# KiCad board dalishen_pi_h7p20.kicad_pcb (continued)
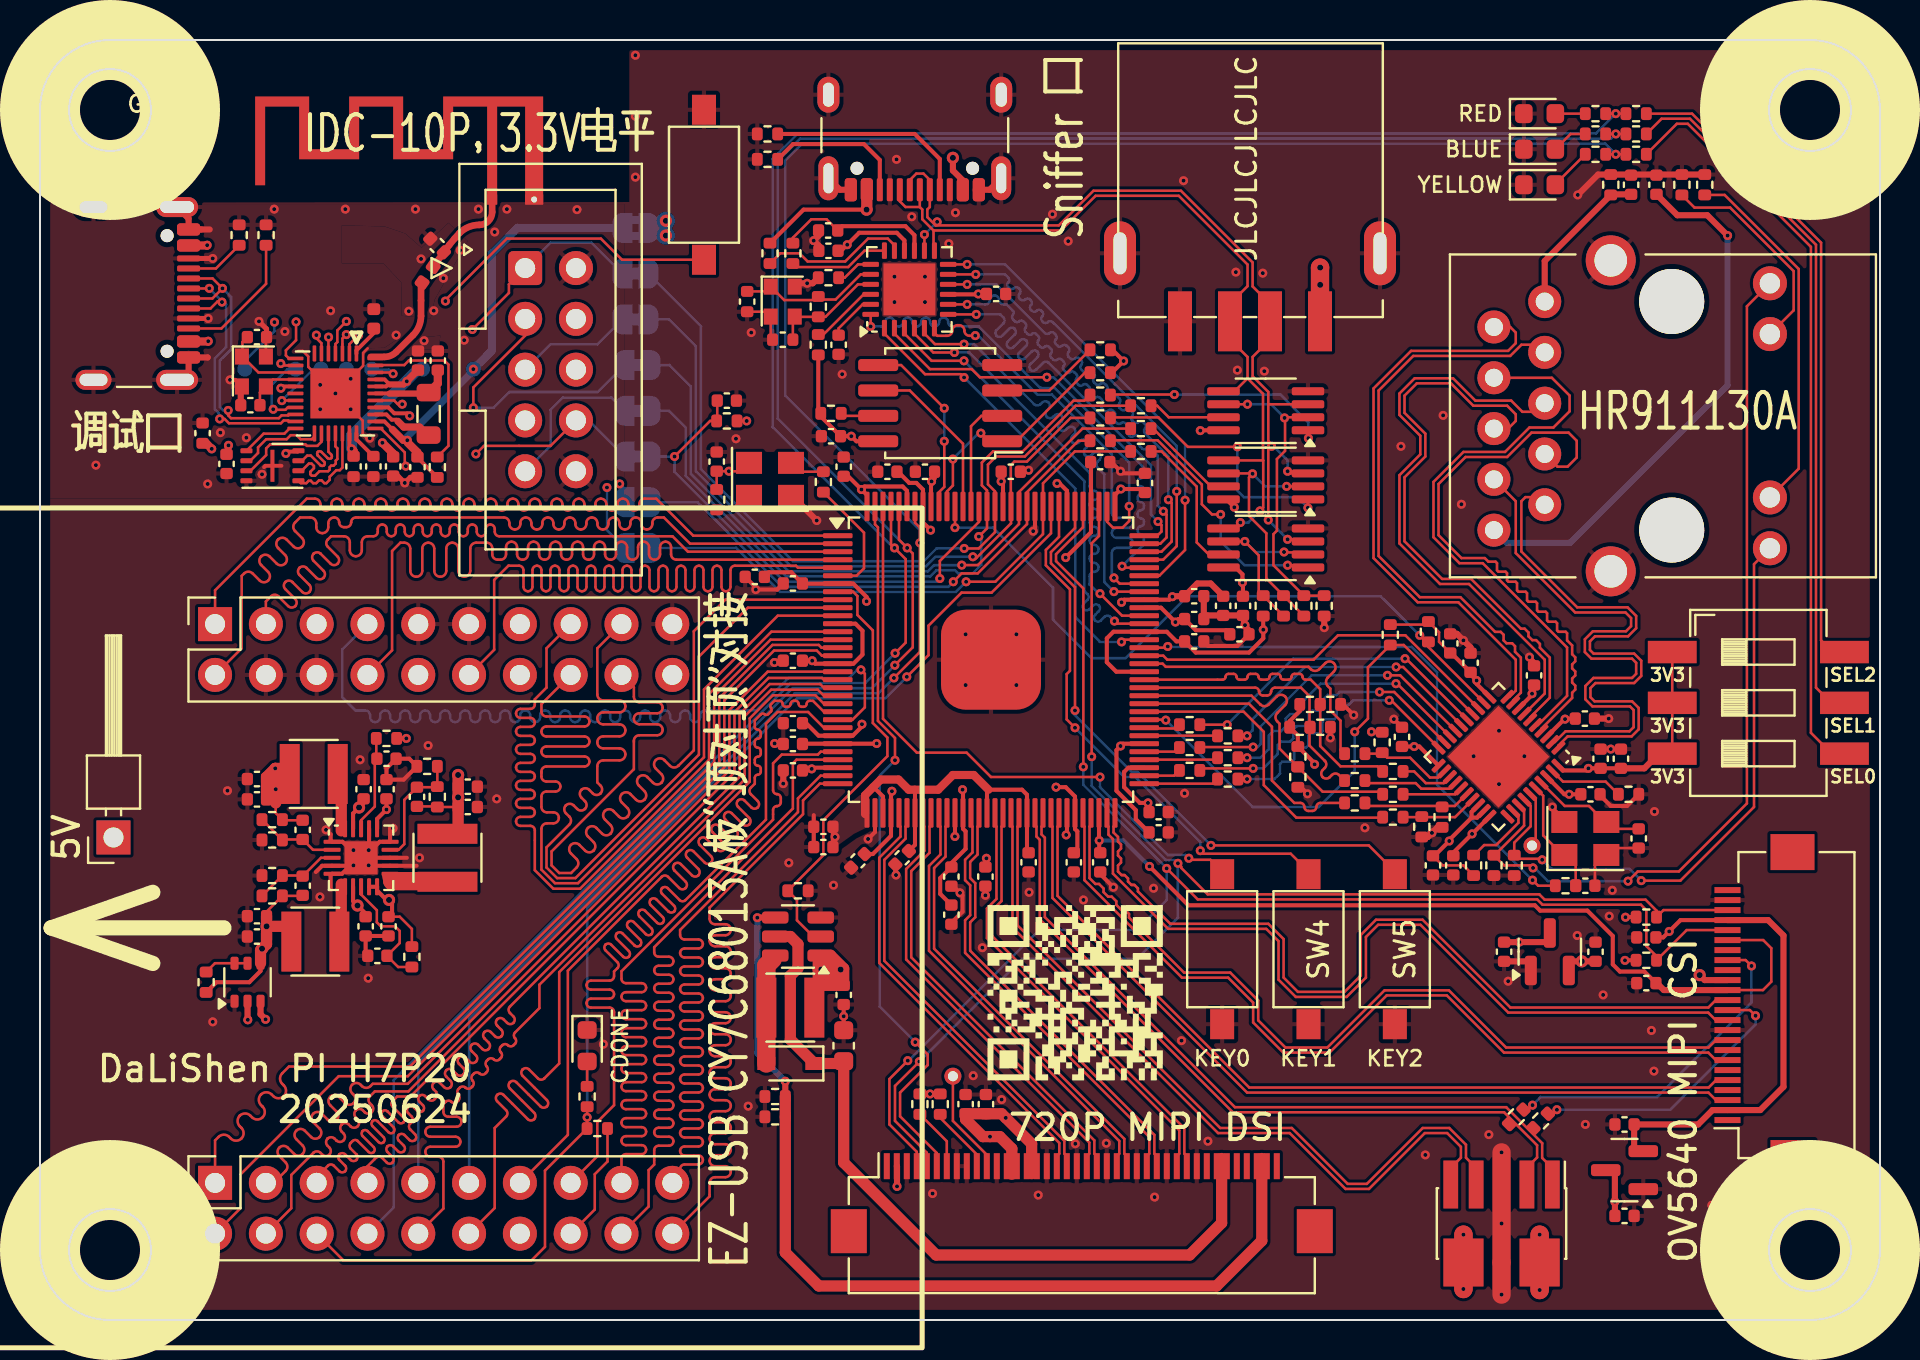
[diagram p0: board, top side]
## Routing (per net, layer and track width the routed paths; a pad name or vN(x,y) marks a point on that pad's centre or on a via; arc(x,y) is an arc through that point) (continued)
/USB334x_D1: length 23.5
  Top w0.127: U20.5 44.22,49.33 44.75,48.8 v1(46.2,48.8) ; v1(53.7,36.42) 53.7,36.42 U3.89
  Bottom w0.127: v1(53.7,36.42) 53.21,36.91 53.21,42.29 52.89,42.61 arc(52.83,42.77) 52.89,42.93 52.97,43.01 arc(53.04,43.17) 52.97,43.33 arc(52.81,43.4) 52.65,43.33 52.57,43.25 arc(52.41,43.18) 52.25,43.25 arc(52.19,43.41) 52.25,43.57 52.33,43.65 arc(52.4,43.81) 52.33,43.97 arc(52.18,44.03) 52.02,43.97 51.94,43.89 arc(51.78,43.82) 51.62,43.89 arc(51.55,44.05) 51.62,44.21 51.7,44.28 arc(51.76,44.44) 51.7,44.6 arc(51.54,44.67) 51.38,44.6 51.3,44.52 arc(51.14,44.46) 50.98,44.52 arc(50.92,44.68) 50.98,44.84 51.06,44.92 arc(51.13,45.08) 51.06,45.24 arc(50.9,45.31) 50.74,45.24 50.66,45.16 arc(50.5,45.09) 50.35,45.16 arc(50.28,45.32) 50.35,45.48 50.42,45.56 arc(50.49,45.72) 50.42,45.88 arc(50.27,45.94) 50.11,45.88 50.03,45.8 arc(49.87,45.73) 49.71,45.8 46.71,48.8 v1(46.2,48.8)
/USB334x_D2: length 23.4
  Top w0.127: U3.90 53.99,36.82 v1(53.7,37.11) ; U20.6 44.72,49.36 44.87,49.22 45.35,49.22 arc(45.54,49.29) 45.62,49.48 arc(45.7,49.67) 45.88,49.75 45.95,49.75 arc(46.14,49.67) 46.22,49.48 arc(46.3,49.29) 46.48,49.22 46.75,49.22 v1(46.76,49.23)
  Bottom w0.127: v1(53.7,37.11) 53.6,37.21 53.6,38.36 arc(53.67,38.54) 53.85,38.61 54.4,38.61 arc(54.57,38.68) 54.65,38.86 arc(54.57,39.04) 54.4,39.11 53.85,39.11 arc(53.67,39.18) 53.6,39.36 arc(53.67,39.54) 53.85,39.61 54.4,39.61 arc(54.57,39.68) 54.65,39.86 arc(54.57,40.04) 54.4,40.11 53.85,40.11 arc(53.67,40.18) 53.6,40.36 53.6,43.28 50.6,46.28 49.86,46.28 46.91,49.23 v1(46.76,49.23)
/USB334x_D3: length 23.5
  Top w0.127: v1(46.81,50.29) U20.7 ; U3.96 55.86,39.22 56.07,39.43 56.07,39.75 v1(55.9,39.93)
  Bottom w0.127: v1(46.81,50.29) 48.01,50.29 48.17,50.13 arc(48.23,49.99) 48.17,49.84 47.83,49.5 arc(47.77,49.36) 47.83,49.22 arc(47.97,49.16) 48.11,49.22 48.46,49.56 arc(48.6,49.62) 48.74,49.56 arc(48.8,49.42) 48.74,49.28 48.39,48.94 arc(48.34,48.79) 48.39,48.65 arc(48.54,48.59) 48.68,48.65 49.02,49 arc(49.16,49.05) 49.3,49 arc(49.36,48.85) 49.3,48.71 48.96,48.37 arc(48.9,48.23) 48.96,48.09 arc(49.1,48.03) 49.24,48.09 49.59,48.43 arc(49.73,48.49) 49.87,48.43 arc(49.93,48.29) 49.87,48.15 49.53,47.8 arc(49.47,47.66) 49.53,47.52 arc(49.67,47.46) 49.81,47.52 50.15,47.86 arc(50.29,47.92) 50.44,47.86 55.55,42.75 55.55,40.28 v1(55.9,39.93)
/USB334x_D4: length 23.4
  Top w0.127: v1(56.17,40.44) 56.33,40.28 56.33,39.13 56.02,38.82 U3.95 ; v1(46.36,50.79) U20.8
  Bottom w0.127: v1(46.36,50.79) 47.27,50.79 arc(47.43,50.85) 47.5,51.01 arc(47.56,51.17) 47.72,51.24 arc(47.88,51.17) 47.95,51.01 arc(48.01,50.85) 48.17,50.79 48.33,50.79 48.64,50.47 arc(48.69,50.36) 48.64,50.26 arc(48.6,50.15) 48.64,50.05 48.75,49.94 arc(48.85,49.9) 48.96,49.94 arc(49.07,49.98) 49.17,49.94 49.28,49.83 arc(49.32,49.73) 49.28,49.62 arc(49.23,49.52) 49.28,49.41 49.38,49.3 arc(49.49,49.26) 49.6,49.3 arc(49.7,49.35) 49.81,49.3 49.91,49.2 arc(49.96,49.09) 49.91,48.98 arc(49.87,48.88) 49.91,48.77 50.02,48.67 arc(50.13,48.62) 50.23,48.67 arc(50.34,48.71) 50.45,48.67 50.55,48.56 arc(50.6,48.45) 50.55,48.35 arc(50.51,48.24) 50.55,48.14 50.66,48.03 arc(50.76,47.99) 50.87,48.03 arc(50.98,48.07) 51.08,48.03 51.19,47.92 arc(51.23,47.82) 51.19,47.71 arc(51.14,47.61) 51.19,47.5 51.29,47.39 arc(51.4,47.35) 51.51,47.39 arc(51.61,47.44) 51.72,47.39 51.82,47.29 arc(51.87,47.18) 51.82,47.08 arc(51.78,46.97) 51.82,46.86 51.93,46.76 arc(52.04,46.71) 52.14,46.76 arc(52.25,46.8) 52.35,46.76 52.46,46.65 arc(52.5,46.55) 52.46,46.44 arc(52.42,46.33) 52.46,46.23 52.57,46.12 arc(52.67,46.08) 52.78,46.12 arc(52.88,46.17) 52.99,46.12 53.1,46.02 arc(53.14,45.91) 53.1,45.8 arc(53.05,45.7) 53.1,45.59 53.2,45.48 arc(53.31,45.44) 53.42,45.48 arc(53.52,45.53) 53.63,45.48 53.73,45.38 arc(53.78,45.27) 53.73,45.17 arc(53.69,45.06) 53.73,44.95 53.84,44.85 arc(53.95,44.8) 54.05,44.85 arc(54.16,44.89) 54.26,44.85 54.37,44.74 arc(54.41,44.64) 54.37,44.53 arc(54.33,44.42) 54.37,44.32 54.48,44.21 arc(54.58,44.17) 54.69,44.21 arc(54.79,44.26) 54.9,44.21 55.01,44.11 arc(55.05,44) 55.01,43.89 arc(54.96,43.79) 55.01,43.68 55.11,43.58 arc(55.22,43.53) 55.32,43.58 arc(55.43,43.62) 55.54,43.58 55.88,43.23 55.88,40.73 v1(56.17,40.44)
/USB334x_D5: length 23.4
  Top w0.127: v1(56.42,41.02) 56.58,40.86 56.58,38.93 56.07,38.42 U3.94 ; v1(46.36,51.79) U20.10
  Bottom w0.127: v1(56.42,41.02) 56.42,43.17 55.24,44.35 arc(55.2,44.46) 55.24,44.58 arc(55.29,44.69) 55.24,44.81 55.16,44.9 arc(55.04,44.94) 54.93,44.9 arc(54.81,44.85) 54.7,44.9 54.61,44.99 arc(54.56,45.1) 54.61,45.22 arc(54.66,45.33) 54.61,45.44 54.52,45.53 arc(54.4,45.58) 54.29,45.53 arc(54.18,45.49) 54.06,45.53 53.97,45.62 arc(53.92,45.74) 53.97,45.85 arc(54.02,45.97) 53.97,46.08 53.88,46.17 arc(53.77,46.22) 53.65,46.17 arc(53.54,46.12) 53.42,46.17 53.33,46.26 arc(53.29,46.37) 53.33,46.49 arc(53.38,46.6) 53.33,46.72 53.25,46.81 arc(53.13,46.85) 53.02,46.81 arc(52.9,46.76) 52.79,46.81 52.7,46.9 arc(52.65,47.01) 52.7,47.12 arc(52.75,47.24) 52.7,47.35 52.61,47.44 arc(52.49,47.49) 52.38,47.44 arc(52.27,47.4) 52.15,47.44 52.06,47.53 arc(52.01,47.65) 52.06,47.76 arc(52.11,47.88) 52.06,47.99 51.97,48.08 arc(51.86,48.13) 51.74,48.08 arc(51.63,48.03) 51.52,48.08 51.43,48.17 arc(51.38,48.28) 51.43,48.4 arc(51.47,48.51) 51.43,48.63 51.34,48.72 arc(51.22,48.76) 51.11,48.72 arc(50.99,48.67) 50.88,48.72 50.79,48.81 arc(50.74,48.92) 50.79,49.03 arc(50.84,49.15) 50.79,49.26 50.7,49.35 arc(50.59,49.4) 50.47,49.35 arc(50.36,49.3) 50.24,49.35 47.81,51.79 v1(46.36,51.79)
/USB334x_D6: length 23.4
  Top w0.127: v1(56.84,41.44) 56.84,38.7 56.16,38.02 U3.93 ; v1(46.79,52.29) U20.11
  Bottom w0.127: v1(46.79,52.29) 48.25,52.29 48.41,52.12 arc(48.46,52) 48.41,51.88 arc(48.36,51.76) 48.41,51.64 48.46,51.6 arc(48.58,51.55) 48.7,51.6 arc(48.82,51.65) 48.93,51.6 48.98,51.56 arc(49.03,51.44) 48.98,51.32 arc(48.93,51.2) 48.98,51.08 49.02,51.03 arc(49.14,50.98) 49.26,51.03 arc(49.38,51.08) 49.5,51.03 49.54,50.99 arc(49.59,50.87) 49.54,50.75 arc(49.5,50.63) 49.54,50.51 49.59,50.47 arc(49.71,50.42) 49.83,50.47 arc(49.95,50.52) 50.07,50.47 50.11,50.42 arc(50.16,50.3) 50.11,50.19 arc(50.06,50.07) 50.11,49.95 50.16,49.9 arc(50.27,49.85) 50.39,49.9 arc(50.51,49.95) 50.63,49.9 56.84,43.7 v1(56.84,41.44)
/USB334x_D7: length 23.4
  Top w0.127: v1(46.36,52.79) U20.12 ; v1(57.25,40.99) 57.25,38.51 55.97,37.22 U3.91
  Bottom w0.127: v1(57.25,40.99) 57.25,43.79 48.26,52.79 v1(46.36,52.79)
/USB334x_DIR: length 23.5
  Top w0.127: v1(54.08,33.91) 54.19,34.02 U3.83 ; U20.1 42.22,49.33 44.25,47.29 46.04,47.29 v1(46.2,47.13)
  Bottom w0.127: v1(54.08,33.91) 53,33.91 51.77,35.14 51.77,41.57 v1(46.2,47.13)
/USB334x_NXT: length 23.5
  Top w0.127: v1(53.72,34.95) 53.85,34.82 U3.85 ; U20.3 43.22,49.33 44.58,47.97 v1(46.2,47.97)
  Bottom w0.127: v1(53.72,34.95) 53.51,35.17 arc(53.37,35.22) 53.22,35.17 53.04,34.98 arc(52.9,34.92) 52.76,34.98 arc(52.7,35.12) 52.76,35.26 52.94,35.45 arc(53,35.59) 52.94,35.73 arc(52.8,35.79) 52.66,35.73 52.47,35.54 arc(52.33,35.49) 52.19,35.54 arc(52.13,35.69) 52.19,35.83 52.38,36.01 arc(52.43,36.16) 52.38,36.3 52.22,36.45 52.22,41.94 v1(46.2,47.97)
/USB334x_STP: length 23.4
  Top w0.127: v1(41.53,49.68) U20.24 ; v1(54.46,40.69) 54.46,39.95 54.13,39.62 53.65,39.62 53.35,39.92 U3.98
  Bottom w0.127: v1(54.46,40.69) 54.46,42.88 50.72,46.61 50.01,46.61 46.94,49.68 45.63,49.68 arc(45.47,49.75) 45.41,49.9 arc(45.34,50.06) 45.19,50.12 45.18,50.12 arc(45.02,50.06) 44.96,49.9 arc(44.89,49.75) 44.74,49.68 44.73,49.68 arc(44.57,49.75) 44.51,49.9 arc(44.44,50.06) 44.29,50.12 44.28,50.12 arc(44.12,50.06) 44.06,49.9 arc(43.99,49.75) 43.84,49.68 43.83,49.68 arc(43.67,49.75) 43.61,49.9 arc(43.54,50.06) 43.39,50.12 43.38,50.12 arc(43.22,50.06) 43.16,49.9 arc(43.09,49.75) 42.94,49.68 42.93,49.68 arc(42.77,49.75) 42.71,49.9 arc(42.64,50.06) 42.49,50.12 42.48,50.12 arc(42.32,50.06) 42.26,49.9 arc(42.19,49.75) 42.04,49.68 v1(41.53,49.68)
/vllinkmodule/FLS_CLK: length 4.7
  Top w0.127: U1001.22 14.77,43.69 14.87,43.59 14.87,43.06 14.79,42.98 14.79,42.83 14.68,42.72 14.56,42.72 14.48,42.65 14.48,42.52 14.4,42.44 13.98,42.44 13.75,42.22 13.59,42.22 13.52,42.29 13.52,42.42 13.7,42.6 13.7,42.71 13.58,42.82 13.44,42.82 13.08,42.47 U1002.6
/vllinkmodule/FLS_CS: length 2.9
  Top w0.127: U1001.18 12.48,44.58 12.22,44.32 11.18,44.32 10.32,43.47 U1002.1
/vllinkmodule/FLS_IO0: length 4.6
  Top w0.127: U1001.23 15.12,42.62 14.99,42.49 14.81,42.49 14.48,42.16 14.48,42.01 14.32,41.85 14.22,41.85 14.08,41.99 13.95,41.99 13.81,41.85 13.66,41.85 13.54,41.96 13.54,41.97 13.43,41.97 13.31,41.85 13.04,41.85 U1002.5
/vllinkmodule/FLS_IO1: length 4.4
  Top w0.127: U1002.2 10.51,42.97 10.9,43.36 10.9,43.64 11.31,44.04 12.33,44.04 12.54,44.25 12.83,44.25 13.03,44.04 13.59,44.04 13.72,44.17 U1001.19
/vllinkmodule/FLS_IO2: length 5
  Top w0.127: U1002.3 10.52,42.47 11.31,43.25 11.31,43.59 11.5,43.78 13.28,43.78 13.34,43.71 13.87,43.71 14.07,43.92 U1001.20
/vllinkmodule/FLS_IO3: length 4.6
  Top w0.127: U1002.7 13.1,42.97 13.36,43.22 13.54,43.22 14.02,42.74 arc(14.11,42.71) 14.2,42.74 14.2,42.75 arc(14.24,42.82) 14.22,42.9 13.89,43.23 arc(13.86,43.32) 13.89,43.41 13.9,43.41 arc(13.98,43.45) 14.07,43.41 14.38,43.1 14.38,43.1 arc(14.47,43.07) 14.56,43.1 14.56,43.1 arc(14.6,43.19) 14.56,43.28 14.42,43.42 U1001.21
/vllinkmodule/GPIOA0: length 17.8
  Top w0.127: 2x5_2.54.1001.1 23.45,51.79 23.45,51.36 v1(21.62,49.53) ; v1(15.32,49.28) 15.12,49.08 U1001.3
  In2.Cu w0.127: v1(21.62,49.53) 21.43,49.72 15.76,49.72 v1(15.32,49.28)
  Bottom w0.127: JP5.2 27.57,53.87 25.53,53.87 2x5_2.54.1001.1
/vllinkmodule/GPIOA1: length 17.7
  Top w0.127: U1001.4 14.77,48.81 14.87,48.9 14.87,49.49 v1(15.32,49.94)
  In2.Cu w0.127: v1(15.32,49.94) 15.35,49.97 21.81,49.97 2x5_2.54.1001.5
  Bottom w0.127: 2x5_2.54.1001.5 25.53,48.79 27.88,48.79 JP4.2
/vllinkmodule/GPIOA2: length 23.5
  Top w0.127: 2x5_2.54.1001.3 24.26,49.23 21.67,46.63 v1(21.67,45.62) ; U1001.5 14.42,49.14 v1(14.43,49.15)
  In2.Cu w0.127: v1(14.43,49.15) 15.29,48.29 18.42,48.29 21.09,45.62 v1(21.67,45.62)
  Bottom w0.127: v1(21.67,45.62) 22.68,45.62 23.47,46.41 27.89,46.41 JP6.2
/vllinkmodule/GPIOA3: length 22.2
  Top w0.127: U1001.6 14.07,48.85 13.82,49.1 v1(13.82,49.25)
  In2.Cu w0.127: 2x5_2.54.1001.9 23.91,42.44 18.32,48.03 14.89,48.03 13.82,49.1 v1(13.82,49.25)
  Bottom w0.127: 2x5_2.54.1001.9 25.53,43.71 25.53,45.52 26.14,46.13 28.57,46.13 JP3.2
/vllinkmodule/GPIOA5: length 25.4
  Top w0.127: 12.44,48.08 U1001.8 12.45,48.08 12.29,48.23 12.29,48.49 12.8,49 v1(12.8,49.91) ; v1(20.27,50.95) 20.27,51 23.34,54.08 28.04,54.08 29.1,53.02 SW2.2
  In2.Cu w0.127: v1(12.8,49.91) 13.84,50.95 v1(20.27,50.95)
/vllinkmodule/GPIOA6: length 28
  Top w0.127: v1(12.04,47.83) 12.14,47.73 U1001.9
  In2.Cu w0.127: v1(28.35,41.63) 28.35,45.52 27.76,46.1 20.97,46.1 18.53,48.54 15.42,48.54 14.84,49.11 14.84,49.32 14.5,49.67 13.63,49.67 12.83,48.87 11.91,48.87 11.65,48.61 11.65,48.22 v1(12.04,47.83)
  Bottom w0.127: JP10.2 28.35,39.49 v1(28.35,41.63)
/vllinkmodule/GPIOA7: length 20.3
  Top w0.127: v1(15.93,49.25) 15.47,48.79 U1001.2
  In2.Cu w0.127: v1(28.98,41.81) 28.78,42.01 28.78,45.44 27.84,46.38 21.05,46.38 18.63,48.79 16.38,48.79 v1(15.93,49.25)
  Bottom w0.127: v1(28.98,41.81) 29.23,41.56 JP1.2
/vllinkmodule/GPIOA8: length 14.4
  Top w0.127: v1(18.11,45.8) 17.89,45.8 17.7,45.98 U1001.30 ; v1(11.72,49.9) 11.69,49.94
  In2.Cu w0.127: v1(11.72,49.9) 11.36,49.53 11.36,47.85 11.84,47.37 12.27,47.37 12.42,47.52 16.26,47.52 17.98,45.8 v1(18.11,45.8)
  Bottom w0.127: TP1004.1 10.24,47.96 11.72,49.44 v1(11.72,49.9)
/vllinkmodule/GPIOA9: length 2.1
  Top w0.127: v1(17.65,47.32) 17.59,47.38 U1001.34
  Bottom w0.127: TP1005.1 16.61,47.52 17.45,47.52 v1(17.65,47.32)
/vllinkmodule/GPIOB0: length 3.3
  Top w0.127: U1001.14 12.1,45.98 v1(12.09,45.97)
  Bottom w0.127: TP1006.1 13.67,47.55 v1(12.09,45.97)
/vllinkmodule/GPIOB1: length 4
  Top w0.127: v1(11.66,45.54) 11.69,45.52 12.27,45.52 12.39,45.63 U1001.15
  Bottom w0.127: 11.69,45.52 11.58,45.62 11.58,46.76 12.37,47.55 TP1007.1
/vllinkmodule/GPIOB2: length 15.3
  Top w0.127: v1(18.29,42.7) 18.24,42.75 18.24,43.38 17.04,44.58 U1001.26 ; 2x5_2.54.1001.8 25.53,43.71 22.2,43.71 v1(21.79,43.31)
  In2.Cu w0.127: v1(18.29,42.7) 21.18,42.7 v1(21.79,43.31)
  Bottom w0.127: JP9.2 27.43,44.98 2x5_2.54.1001.8
/vllinkmodule/POWER_KEY: length 8.7
  Top w0.127: R1003.1 20.42,43.72 20.42,47.78 20.22,47.98 18.44,47.98 18.21,47.75 16.79,47.75 U1001.35
/vllinkmodule/USB_D+: length 14.1
  Top w0.127: 9.12,50.93 8.87,50.93 8.53,50.58 J1001.B6 ; v1(8.46,51.59) 8.46,51.58 7.44,51.58 ; v1(8.98,45.06) 9.23,45.06 9.45,44.84 12.04,44.84 12.18,44.98 12.41,44.98 12.46,44.93 U1001.17
  Bottom w0.127: v1(8.46,51.59) 9.1,50.95 v1(9.1,50.9) 9.2,50.9 9.3,50.8 9.3,48.65 8.74,48.08 8.74,45.55 8.94,45.34 8.94,45.29 8.98,45.25 v1(8.98,45.06)
/vllinkmodule/USB_D-: length 14.4
  Top w0.127: J1001.B7 8.63,52.08 v1(9.12,51.59) 8.62,51.08 J1001.A7 ; v1(9.41,45.48) 9.41,45.24 9.55,45.1 11.94,45.1 12.08,45.24 12.41,45.24 12.46,45.28 U1001.16
  Bottom w0.127: v1(9.12,51.59) 9.56,51.16 9.56,48.54 8.99,47.98 8.99,45.65 9.16,45.48 v1(9.41,45.48)
/vllinkmodule/V_FLS: length 10.8
  Top w0.191: U1002.8 12.88,43.43 12.39,43.43 v1(12.29,43.33) ; U1001.29 17.42,45.63 17.71,45.34 18.36,45.34 v1(18.48,45.21)
  Top w0.406: v1(17.12,43.87) 17.66,43.33 C1008.1
  In2.Cu w0.406: v1(12.29,43.33) 12.67,42.96 16.22,42.96 v1(17.12,43.87) ; v1(18.48,45.21) 17.14,43.87
  Bottom w0.406: 17.14,43.87 v1(17.12,43.87)
/YT8531C/ETHA_1V1: length 26.9
  Top w0.203: U1.30 71.61,24.31 v1(71.6,24.31) 70.66,23.37 70.66,23.21 ; U1.8 74.6,31.26 v1(74.6,31.32) 74.7,31.42 C53.2 ; C48.2 v1(76.46,26.29) 76.22,26.29 U1.38 ; C51.2 76.28,30.07 v1(76.25,30.05) 76.22,30.05 U1.3 ; C52.2 68.71,28.68 v1(68.71,28.68) 68.71,28.68 68.97,28.68 U1.21
  In2.Cu w0.914: 71.6,25.78 74.14,25.78 75.01,26.64 76.1,26.64 76.25,26.49 ; 71.6,25.78 v1(68.71,28.68) ; 71.6,25.78 v1(71.6,24.31) ; 76.25,26.49 v1(76.46,26.29) ; 76.25,26.49 v1(76.25,30.05) 74.98,31.32 v1(74.6,31.32)
/YT8531C/ETHA_LED1: length 44.5
  Top w0.127: J10.14 85.35,50.69 85.35,25.83 81.94,22.43 79.88,22.43 v1(79.4,21.95) ; v1(74.65,22.61) 74.52,22.73 73.21,22.73 72.7,23.24 72.73,23.24 74.2,24.72 74.2,25.47 U1.33
  Bottom w0.127: v1(79.4,21.95) 75.39,21.95 74.73,22.61 v1(74.65,22.61)
/YT8531C/ETHA_LED2: length 30.6
  Top w0.127: v1(80.06,21.97) 82.02,21.97 85.7,25.65 85.7,37.8 J10.11 ; v1(75.11,23.01) 75.06,23.06 73.89,23.06 73.71,23.24 73.71,23.87 74.53,24.69 74.53,25.71 U1.34
  Bottom w0.127: v1(80.06,21.97) 79.48,22.56 75.57,22.56 v1(75.11,23.01)
/YT8531C/ETHA_TD0N: length 29.5
  Top w0.127: U1.2 75.74,28.9 76.28,29.44 79.48,29.44 79.68,29.64 79.68,30.5 79.5,30.68 77.62,30.68 77.27,31.04 77.27,31.7 77.67,32.11 79.6,32.11 79.81,32.31 79.81,32.86 79.6,33.07 77.57,33.07 77.24,33.4 77.24,34.04 77.65,34.44 79.3,34.44 79.55,34.7 79.55,35.1 79.27,35.38 76.76,35.38 73.79,38.35 73.79,40.94 72.7,42.04
/YT8531C/ETHA_TD0P: length 29.6
  Top w0.127: J10.P2 75.24,40.82 74.91,41.15 74.27,41.15 74.07,40.94 74.07,38.43 76.86,35.64 79.38,35.64 79.81,35.21 79.81,34.59 79.4,34.19 77.75,34.19 77.5,33.93 77.5,33.51 77.68,33.32 79.71,33.32 80.06,32.97 80.06,32.21 79.71,31.85 77.78,31.85 77.52,31.6 77.52,31.14 77.73,30.94 79.6,30.94 79.94,30.61 79.94,29.54 79.58,29.18 76.38,29.18 75.92,28.72 U1.1
/YT8531C/ETHA_TD1N: length 29.5
  Top w0.127: J10.P7 75.59,47.12 76.48,46.23 76.48,45.44 75.67,44.63 74.47,44.63 73.25,43.41 71.17,43.41 69.67,41.91 69.67,39.14 70.97,37.85 72.14,37.85 76.35,33.63 76.35,31.21 74.89,29.75 U1.5
/YT8531C/ETHA_TD1P: length 29.5
  Top w0.127: J10.P4 75.87,42.67 76.38,42.67 76.84,43.13 76.84,43.97 76.43,44.37 74.58,44.37 73.36,43.15 71.28,43.15 69.93,41.8 69.93,39.25 71.07,38.1 72.24,38.1 72.42,37.92 72.78,37.92 72.85,37.85 72.85,37.49 72.92,37.42 73.28,37.42 73.35,37.35 73.35,36.99 73.42,36.92 73.78,36.92 73.85,36.85 73.85,36.49 73.92,36.42 74.28,36.42 74.35,36.35 74.35,35.99 74.42,35.92 74.78,35.92 74.85,35.85 74.85,35.49 74.92,35.42 75.28,35.42 75.35,35.35 75.35,34.99 75.42,34.92 75.78,34.92 75.85,34.85 75.85,34.49 75.92,34.42 76.28,34.42 76.35,34.35 76.35,33.99 76.61,33.73 76.61,33.29 76.76,33.14 76.76,32.94 76.61,32.78 76.61,32.58 76.76,32.43 76.76,32.23 76.61,32.08 76.61,31.88 76.76,31.72 76.76,31.52 76.61,31.37 76.61,31.11 75.07,29.57 U1.4
/YT8531C/ETHA_TD2N: length 29.6
  Top w0.127: U1.7 75.24,31.33 75.24,33.02 71.45,36.8 70,36.8 67.97,38.83 67.97,42.24 69.01,43.29 69.01,44.22 67.97,45.26 67.97,46.33 68.73,47.09 70.65,47.09 71.77,45.97 73.56,45.97 74.12,45.42 74.8,45.42 J10.P6
/YT8531C/ETHA_TD2P: length 29.6
  Top w0.127: U1.6 74.51,30.14 75.49,31.12 75.49,33.12 75,33.62 75,33.81 74.8,34 74.62,34 74.42,34.19 74.42,34.38 74.23,34.57 74.04,34.57 71.55,37.06 70.11,37.06 68.23,38.94 68.23,42.14 69.27,43.18 69.27,44.32 68.23,45.36 68.23,46.22 68.84,46.84 70.55,46.84 71.66,45.72 73.36,45.72 73.79,45.29 73.79,44.96 73.41,44.58 J10.P5
/YT8531C/ETHA_TD3N: length 29.6
  Top w0.127: U1.10 73.48,31.16 73.79,31.47 73.79,33.02 70.92,35.89 68.89,35.89 66.68,38.1 66.68,46.58 68.56,48.46 73.41,48.46 73.79,48.85 73.79,49.38 73.51,49.66 J10.P9
/YT8531C/ETHA_TD3P: length 29.6
  Top w0.127: U1.9 73.66,30.99 74.04,31.37 74.04,33.12 73.75,33.41 73.75,33.7 73.61,33.84 73.32,33.84 73.18,33.99 73.18,34.27 73.03,34.41 72.75,34.41 71.02,36.14 68.99,36.14 66.93,38.21 66.93,46.48 68.66,48.21 73.51,48.21 74.07,48.77 74.85,48.77 J10.P8
/YT8531C/FPGA_ETHA_CLKOUT: length 2.8
  Top w0.127: U1.35 74.79,26.02 74.79,23.91 TP2.1
Net-(AE1001-A): length 4.9
  Top w0.33: L1003.1 C1002.1 20.47,53.77 20.73,54.08 20.97,54.35 arc(21.43,54.66) 21.97,54.76 arc(22.42,54.95) 22.61,55.4 AE1001.1
Net-(D1-A): length 1.5
  Top w0.127: D1.2 R15.1
Net-(D2-A): length 1.8
  Top w0.127: D2.2 76.53,59.31 R18.1
Net-(D3-A): length 1.2
  Top w0.127: R19.1 D3.2
Net-(D4-A): length 2.1
  Top w0.127: D4.2 75.77,56.8 R20.1
Net-(D8-A): length 5.3
  Top w0.914: 36.63,18.03 36.32,17.72 L1.2 D8.2
Net-(J2-CC1): length 10.2
  Top w0.203: R77.1 43.74,59.31 44.99,58.06 J2.A5
Net-(J2-CC2): length 7.2
  Top w0.203: J2.B5 41.99,58.01 41.2,58.8 37.65,58.8 R76.1
Net-(J9-Pin_7): length 3.2
  Top w0.127: J9.7 45.34,8.94 R22.1
Net-(J9-Pin_10): length 3.4
  Top w0.127: J9.10 46.84,8.28 45.01,10.11 R21.1
Net-(J9-Pin_11): length 5.2
  Top w0.127: J9.11 47.34,8.26 45.65,9.96 TP1.1
Net-(J10-CT): length 27.1
  Top w0.305: v1(84.38,54.23) 83.36,55.24 81.87,55.24 C66.2
  Bottom w0.305: v1(84.38,54.23) 84.38,46.74 76.51,38.86 73.33,38.86 J10.P1
Net-(J10-GND): length 7.7
  Top w0.305: J10.P10 75.24,52.96 78.57,56.29 C67.2
Net-(J10-Pad12): length 18.3
  Top w0.127: R39.1 84.23,56.26 87.94,52.56 87.94,42.57 J10.12
Net-(J10-Pad13): length 10.8
  Top w0.127: J10.13 87.68,50.49 87.68,52.45 84.51,55.63 82.73,55.63 R38.1
Net-(J1001-CC1): length 3
  Top w0.127: J1001.A5 8.8,52.58 R1001.2
Net-(J1001-CC2): length 6.7
  Top w0.127: J1001.B5 9.07,49.58 11.3,51.82 R1002.2
Net-(R55-Pad1): length 37.8
  Top w0.127: SW3.4 89.59,28.32 88.55,29.36 88.55,53.66 82.39,59.82 81.84,59.82 R55.1
Net-(R56-Pad1): length 35.3
  Top w0.127: R56.1 81.08,60.07 82.5,60.07 88.8,53.77 88.8,31.62 89.56,30.86 SW3.5
Net-(R57-Pad1): length 32.7
  Top w0.127: R57.1 82.6,60.32 89.05,53.87 89.05,33.99 89.64,33.4 SW3.6
Net-(U1-LED0/CFG_EXT): length 3.6
  Top w0.127: 71.68,23.24 71.7,23.24 72.21,23.75 72.8,23.75 73.92,24.87 73.92,25.19 U1.32
Net-(U1-RBIAS): length 3.8
  Top w0.127: R45.1 78.28,26.92 76.15,26.92 U1.39
Net-(U1-RX_CLK/PHYAD1): length 3.8
  Top w0.127: 68.15,25.15 70.75,25.15 U1.27
Net-(U1-RX_CTL/PHYAD2): length 5.4
  Top w0.127: 66.25,25.86 66.4,25.7 70.74,25.7 U1.26
Net-(U1-RXD0/RXDLY): length 3
  Top w0.127: U1.25 70.76,26.29 R72.2
Net-(U1-RXD1/TXDLY): length 4.8
  Top w0.127: U1.24 70.48,26.57 69.06,26.57 68.78,26.85 66.37,26.85 66.25,26.97
Net-(U1-RXD2/PLLIFF): length 2.7
  Top w0.127: R74.2 68.71,27.43 69.29,26.85 70.19,26.85 U1.23
Net-(U1-RXD3/PHYAD0): length 4.7
  Top w0.127: R48.2 67.06,28.32 R75.2 ; U1.22 69.9,27.13 69.5,27.13 68.5,28.12 67.36,28.12 67.11,28.37 67.06,28.32
Net-(U1-TX_CLK): length 14
  Top w0.127: R83.2 v1(60.35,27.05) ; U1.20 67.56,30.99 v1(67.46,30.99)
  Bottom w0.127: v1(67.46,30.99) 65.66,30.99 65.42,30.75 64.94,30.75 64.83,30.63 64.83,30.16 64.71,30.04 64.24,30.04 64.12,29.92 64.12,29.45 64,29.33 63.53,29.33 63.41,29.22 63.41,28.74 63.3,28.63 62.82,28.63 62.71,28.51 62.71,28.03 62.59,27.92 62.11,27.92 62,27.8 62,27.33 61.72,27.05 v1(60.35,27.05)
Net-(U1-TX_CTL): length 15.9
  Top w0.127: v1(60.66,27.58) 58.09,27.58 R84.2 ; U1.19 67.71,31.4 v1(66.98,31.4)
  Bottom w0.127: v1(60.66,27.58) 61.16,27.58 61.89,28.31 61.89,28.76 62.05,28.92 62.5,28.92 62.67,29.09 62.67,29.53 62.83,29.7 63.28,29.7 63.44,29.86 63.44,30.31 63.61,30.48 64.06,30.48 64.22,30.64 64.22,31.09 64.39,31.25 64.83,31.25 64.98,31.4 v1(66.98,31.4)
Net-(U1-TXD0): length 14.1
  Top w0.127: R85.2 v1(60.35,28.12) ; U1.18 67.86,31.82 v1(67.8,31.82)
  Bottom w0.127: v1(60.35,28.12) 61.01,28.12 61.44,28.55 61.44,29.24 61.66,29.45 62.06,29.45 62.28,29.68 62.28,30.08 62.51,30.3 62.91,30.3 63.13,30.52 63.13,30.92 64.03,31.82 v1(67.8,31.82)
Net-(U1-TXD1): length 15.9
  Top w0.127: U1.17 68.01,32.24 v1(67.37,32.24) ; 57.99,28.65 v1(60.66,28.65)
  Bottom w0.127: v1(67.37,32.24) 63.58,32.24 61.04,29.69 61.04,28.8 60.88,28.65 v1(60.66,28.65)
Net-(U1-TXD2): length 14.1
  Top w0.127: v1(67.81,32.65) 68.16,32.65 U1.16 ; R87.2 v1(60.35,29.21)
  Bottom w0.127: v1(67.81,32.65) 63.24,32.65 60.63,30.05 60.63,29.49 v1(60.35,29.21)
Net-(U1-TXD3): length 16
  Top w0.127: v1(68.25,33.07) 68.31,33.07 U1.15 ; R91.2 v1(59.36,29.77)
  Bottom w0.127: v1(59.36,29.77) 62.66,33.07 v1(68.25,33.07)
Net-(U1-XTAL_I): length 5.8
  Top w0.127: U1.36 75.16,26.22 75.16,24.23 76.14,23.25 Y2.1 76.27,23.25 76.79,22.74 R6.2
Net-(U1-XTAL_O): length 5.8
  Top w0.127: C79.2 78.66,24.56 Y2.3 78.25,24.9 77.45,25.7 76.24,25.7 U1.37
Net-(U3-IO13_PCLK_8): length 6.1
  Top w0.127: R8.1 39.17,41.4 41.2,39.37 41.2,37.59 40.83,37.22 U3.6
Net-(U6-FB1): length 6
  Top w0.127: R30.2 19.87,26.67 R29.1 19.83,26.64 C25.2 18.21,26.01 18.21,23.8 17.93,23.51 U6.14
Net-(U6-FB2): length 4.3
  Top w0.127: U6.3 14.05,23.11 C28.2 13.11,22.22 R32.2 12.12,22.22 R31.1
Net-(U6-FB3): length 4.2
  Top w0.127: R33.2 11.1,25.02 R34.1 12.15,24.03 13.13,24.03 13.65,23.51 U6.2
Net-(U6-LX1): length 3.2
  Top w0.305: 17.25,22.25 17.33,21.87
  Top w0.914: 17.61,21.95 20.34,21.95 L3.1
Net-(U6-LX2): length 2.9
  Top w0.559: 15.06,21.79 15.06,19.23 14.97,19.13 L4.2
Net-(U6-LX3): length 2.9
  Top w0.559: L5.2 14.89,27.12 15.06,26.94 15.06,24.46
Net-(U7-IO2): length 5.2
  Top w0.127: U7.3 50.47,46.48 R81.2
Net-(U7-IO3): length 1.9
  Top w0.127: U7.7 40.19,45.21 R82.2
Net-(U9-D1): length 2.3
  Top w0.127: U9.5 U9.6 8.75,17.84 R5.1
Net-(U20-ID): length 5.1
  Top w0.127: U20.18 41.23,53.47 40.41,52.65 37.82,52.65 R4.2 37.64,52.7
Net-(U20-RBIAS): length 1.9
  Top w0.127: R89.1 40.23,52.12 40.9,52.79 U20.19
Net-(U20-REFCLK/XI): length 5.6
  Top w0.127: C14.2 37.64,50.08 Y1.3 ; 37.75,50.16 39.27,50.16 40.89,51.79 U20.21
Net-(U20-VBUS): length 7.5
  Top w0.127: U20.17 42.72,53.75 42.39,54.08 41.4,54.08 40.26,52.93 38.38,52.93 37.97,53.34 37.01,53.34 R79.2
Net-(U20-VDD18): length 2.4
  Top w0.127: C49.2 39.93,49.59 41.13,50.79 U20.23
Net-(U20-VDD33): length 8
  Top w0.127: C50.2 39.33,55.04 38.57,55.04 37.64,54.12 R4.1
  Top w0.203: C50.2 40.1,54.7 43.27,54.7 43.72,54.25 U20.15
Net-(U20-XO): length 7.2
  Top w0.127: U20.20 41.04,52.29 39.78,51.03 39.07,51.03 R78.1 38.73,51 37.21,51 Y1.1 36.29,51.43 C12.2
Net-(U20-~{RESETB}): length 3.5
  Top w0.127: R90.2 39.17,49.28 41.18,51.29 U20.22
Net-(U1001-AVDD18): length 5.2
  Top w0.191: U1001.12 12.13,46.68 v1(12.04,46.59) ; C1007.2 9.33,43.64 v1(9.42,43.74)
  In2.Cu w0.191: v1(12.04,46.59) 11.98,46.59 9.42,44.03 v1(9.42,43.74)
Net-(U1001-RF_ANT): length 5.3
  Top w0.254: 19.05,51.82 L1003.2
  Top w0.33: 19.05,51.82 19.05,50.21 arc(18.95,49.69) 18.65,49.25 17.81,48.4 arc(17.54,48.22) 17.22,48.16 16.54,48.16
Net-(U1001-RF_IND): length 1.6
  Top w0.191: L1001.2 16.69,49.35 15.82,48.48 U1001.1
Net-(U1001-SW): length 3.1
  Top w0.191: U1001.28 17.32,45.28 17.58,45.02 17.82,45.02 17.9,44.94
  Top w0.356: 17.9,44.94 18.18,44.65 18.98,44.65 19.38,44.25 L1004.1
Net-(U1001-V_CORE): length 1.5
  Top w0.191: U1001.25 15.82,44.04 C1013.1
Net-(U1001-V_RF): length 4.3
  Top w0.191: U1001.31 17.46,46.33 17.47,46.33
  Top w0.254: 19.36,46.46 19.43,46.53
  Top w0.305: 19.38,46.33 17.47,46.33
  Top w0.356: 19.43,46.53 19.28,46.38 ; L1004.2 19.38,46.33
  Top w0.406: C1009.1 19.89,46.83 L1004.2
Net-(U1001-XTAL1): length 4
  Top w0.127: U1001.10 10.92,47.38 10.12,48.18 10.12,48.9 C1003.2
Net-(U1001-XTAL2): length 2.7
  Top w0.127: U1001.11 11.65,47.03 11,46.38 C1006.2
Net-(X1-EN): length 1.9
  Top w0.127: X1.1 35.3,41.21 34.59,40.51 R7.2
Net-(X1-OUT): length 1.8
  Top w0.127: R8.2 37.99,42.42 X1.3

## Copper pours and planes (outline as drawn; the poured copper is in the pictures)
/VCC_3V3 on In2.Cu: -1.85,36.83 34.22,36.83 34.22,64.77 94.54,64.77 94.54,-1.27 -1.98,-1.27
/VDD_CORE on In2.Cu: 40.18,40.39 54.92,40.39 54.92,25.65 40.18,25.65
/VDDIO_1V8 on Top: 41.17,26.39 39.52,25.07 39.52,23.47 40.69,24.31 41.35,24.64
GND on Top: 20.02,49.23 17.83,49.02 17.22,48.62 16.18,48.59 16.13,48.12 16.19,47.74 17.91,47.75 19.03,48.54 19.94,48.54
GND on Top: 21.39,53.95 20.42,54.86 19.08,53.62 18.26,54.33 17.22,54.69 15.09,54.74 15.09,52.83 17.17,52.83 18.06,51.89 18.09,50.22 19.53,50.09 19.74,51.03
GND on Top, Bottom, In1.Cu, In2.Cu: -0.81,55.8 29.21,55.8 29.21,41.07 -0.76,41.07
GND on Top, Bottom, In1.Cu, In2.Cu: 94.54,64.77 -1.98,64.77 -1.98,-1.27 94.54,-1.27
GND on In2.Cu: 57.13,29.82 54.18,26.62 69.06,23.83 72.92,25.63 72.92,30.71 71.17,34.92 57.13,34.92

## Text on the board
B.Silkscreen: 5V / TCK / TMS / TDO / TDI / RST / RXD / TXD
F.Silkscreen: 3V3 | SEL2 | SEL1 | SEL0 | KEY0 | KEY1 | KEY2 | RED | BLUE | YELLOW | CDONE | GND | JLCJLCJLCJLC | 720P MIPI DSI | DaLiShen PI H7P20 / 20250624 | 5V | OV5640 MIPI CSI | 调试口 | IDC-10P，3.3V电平 | HR911130A | EZ-USB CY7C68013A板“顶对顶”对接 | Sniffer 口
